# Altium PCB TI82_matlab.PcbDoc (continued)
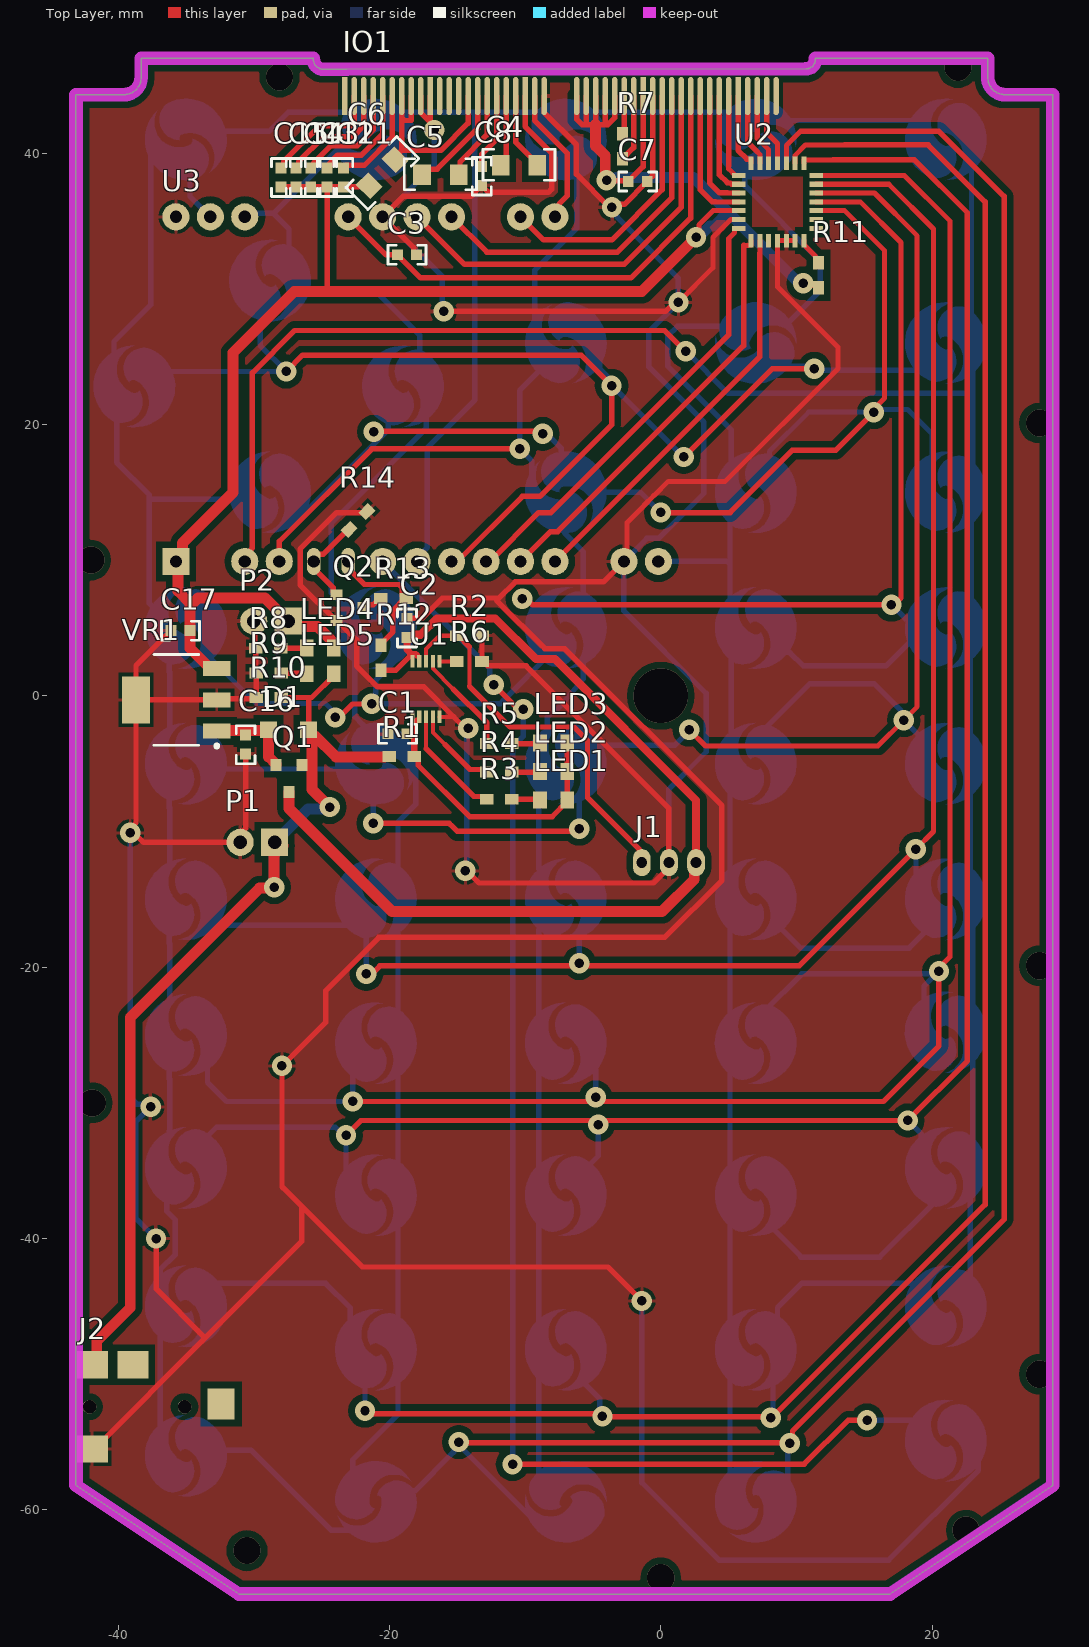
[diagram p0: Top Layer view]
## Nets (pads, with @x,y where several pads share a name; then routed paths per layer and width w, separated by ;. In a path a pad name is that pad's centre, name@x,y a point inside that pad or via, vN(x,y) a via of type N, cw(c..) or ccw(c..) an arc to the next point about the centre after c; other vN are vias at no path point)
3V3: C6.1 C7.0 C11.0 C12.0 C13.0 C14.0 C15.0 C17.1 IO1.23 IO1.24 IO1.25 IO1.26 IO1.27 IO1.30 LED4.1 P2.1 R11.1 U2.5 U3.1 VR1.3 | length 142.7
  Top Layer w0.37: v1(2.6,33.8) 2.803,34.003 2.803,34.703 3.85,35.75 U2.5
  Top Layer w0.4: C15.0 C14.0 C13.0 C12.0 ; -24.598,29.8 C12.0 ; C6.1@-22,37.8 -22.3,37.5 C11.0 C12.0 ; IO1.23 -6.196,44.196 -6.196,42.496 -5.8,42.1 -5.4,42.1 ; IO1.24 -5.5,42.2 -5.4,42.1 ; IO1.25 -4.8,42.25 -4.65,42.1 ; IO1.26 -4.1,42.3 -3.9,42.1 ; v1(-4,38) -3.949,37.949 -2.451,37.949 C7.0 -1.3,38.998 IO1.30 ; IO1.27 -3.404,44.196 -3.404,42.596 -3.9,42.1 ; v1(10.5,30.4) 10.663,30.237 11.463,30.237 R11.1 ; -5.4,42.1 -4.8,42.1 -4.65,42.1 ; -4.65,42.1 -3.9,42.1
  Top Layer w0.8: -34.7,6.83 -35.57,7.7 -35.57,9.73 U3.1 -35.251,10.389 -35.251,11.267 -31.54,14.979 -31.54,25.279 -27.019,29.8 -24.598,29.8 -1.4,29.8 v1(2.6,33.8) ; VR1.3 -33.2,2 -34.7,3.5 C17.1 -34.7,6.6 -34.1,7.2 -29.16,7.2 -27.06,5.1 -25.3,5.1 -24.2,4 -24.2,3.625 LED4.1 ; -4.8,42.1 -4.8,40.527 -4.09,39.817 -4.09,38.09 v1(-4,38)
  Bottom Layer w0.8: v1(-4,38) -3.866,38.134 -3.371,38.134 -3.305,38.2 2.4,38.2 4.95,35.65 ; v1(2.6,33.8) 2.789,33.8 3.635,34.646 3.946,34.646 4.95,35.65 ; v1@10.319,30.171 10.319,30.281 4.95,35.65
/CE: IO1.34 U3.31 | length 30.8
  Top Layer w0.4: U3.31 -14.46,31.8 -2.7,31.8 1.5,36 1.5,43 IO1.34
/CS: U2.7 U3.10 | length 33.1
  Top Layer w0.37: 5,33.7 5.435,34.135 5.435,34.45 U2.7
  Top Layer w0.4: U3.10 -12.6,9.9 -9,13.5 -8.1,13.5 5,26.6 5,33.7
/RST: C3.1 IO1.35 U3.33 | length 37.9
  Top Layer w0.4: U3.33 -20.242,32.503 C3.1 -17.698,30.8 -2.2,30.8 2.2,35.2 2.2,43 IO1.35
/STB: IO1.21 U3.27 | length 10.3
  Top Layer w0.4: IO1.21 -9.3,43 -9.3,42.4 -6.9,40 -6.9,36.834 -7.494,36.24 -7.494,35.606 U3.27
/WR: IO1.33 U3.30 | length 26.5
  Top Layer w0.4: U3.30 -12.82,32.7 -3.2,32.7 0.8,36.7 0.8,43 IO1.33
BAT_ADC: R12.1 R13.0 U3.6 | length 10.2
  Top Layer w0.4: U3.6 -23.04,9.4 -21.84,8.2 -19.309,8.2 -19.075,7.966 -19.075,7.375 R13.0@-18.875,7.175 ; R12.1 -20.625,3.825 -19.75,4.7 -19.75,6.3 R13.0@-18.875,7.175 ; R13.0 R13.0@-18.875,7.175
BAT_READ: Q2.1 R14.0 U3.5 | length 6.9
  Top Layer w0.4: Q2.1@-23.742,7.562 -24.062,7.562 -24.15,7.65 -24.15,7.97 -25.58,9.4 -25.58,10.161 -25.303,10.438 -24.862,10.438 R14.0@-23.06,12.24
COL0: K1.1 K7.1 K12.1 K16.1 K21.1 K26.1 K31.1 K36.1 K41.1 U3.3 | length 141.5
  Top Layer w0.4: U3.3 -30.66,10.333 -30.1,10.893 -30.1,23.8 -26.98,26.92 0.28,26.92 1.8,25.4 v1(1.85,25.4)
  Bottom Layer w0.4: v1(1.85,25.4) 4.956,22.294 23,22.294 ; 22.8,-44 22.8,-34.4 23,-34.2 23,-23.2 ; 22.8,-6.1 22.8,-14.1 22.9,-14.2 ; 22.8,-3.3 22.8,3.2 23,3.4 ; 22.9,13.6 22.9,6.6 23.1,6.4 ; 22.9,27.3 22.9,39.6 ; 23,-16.6 23,-22.9 23.3,-23.2 ; 23,24.4 23,22.294 ; 23.2,15.5 23,15.7 23,22.294
COL1: K2.1 K8.1 K13.1 K17.1 K22.1 K27.1 K32.1 K37.1 K42.1 K47.1 U3.15 | length 107.7
  Bottom Layer w0.4: U3.15 4.9,9.9 5.1,9.7 ; 5.1,-58.5 5.1,-6.3 5.2,-6.2 ; 5.1,6.1 5.1,9.7 ; 5.2,-3.6 5.2,3.4 5.3,3.5 ; 5.5,28.1 4.607,27.207 4.441,27.207 4.35,27.207 4.336,27.221 1.221,27.221 0.5,26.5 0.5,24.3 5.2,19.6 5.2,14.6 5.1,14.5 5.1,9.9 5.1,9.7 ; 6.2,38.8 6.2,37.6 11.75,32.05 11.75,29.834 9.316,27.401 9.201,27.401
COL2: K3.1 K9.1 K14.1 K18.1 K23.1 K28.1 K33.1 K38.1 K43.1 K48.1 U3.4 | length 105.8
  Top Layer w0.4: U3.4 -28.12,11.38 -21.3,18.2 v1(-10.4,18.2)
  Bottom Layer w0.4: -9.5,15.137 -9.5,15.962 ccw(c-9.9,15.962) -9.519,16.084 -9.519,16.664 -9.512,16.671 -9.511,16.7 -9.511,16.774 -9.509,16.783 -9.508,16.812 -9.506,16.902 -9.504,16.996 -9.504,17.304 v1(-10.4,18.2) -10.4,22.5 -8.6,24.3 ; -9.3,-4.5 -9.3,-3.4 ; -9.3,27.1 -9.3,31.35 -6.2,34.45 -6.2,38.7 ; -9,-58.3 -9,-17.236 ; -9,-12.764 -9,-7.236 ; -8.366,-2.765 -8.366,-1.581 -8.132,-1.347 -7.718,-1.07 -7.32,-0.671 -5.7,1.251 -5.7,2.6 ; -7.098,12.979 -7.098,12 -5.7,10.602 -5.7,7.1
COL3: K4.1 K6.1 K10.1 K19.1 K24.1 K29.1 K34.1 K39.1 K44.1 K49.1 U3.36 | length 103.7
  Bottom Layer w0.4: U3.36 -30.409,35.551 -28.549,35.551 ; -27.4,32.7 -27.4,34.403 -28.549,35.551 ; -26.3,29.9 -21.1,29.9 -17.779,26.579 -17.779,25.433 -17.8,25.412 -17.8,24.8 ; -23.65,40.45 -28.549,35.551 ; -23,6.3 -24.3,7.6 -24.3,12.7 -17.3,19.7 -17.3,21 ; K49.1@-22.7,-57.5 -22.7,-56.3 -19.367,-52.967 -19.367,-9.3 -18.067,-8 -18.067,-5.533 -18.4,-5.2 ; -22.5,2.9 -22.55,2.85 -22.55,-1.531 -21.934,-2.147 -21.934,-2.697 -22.372,-3.135 -22.399,-3.18 -22.488,-3.41 ; -19.6,-3.1 K24.1@-19.6,-2.835
COL4: K5.1 K11.1 K15.1 K20.1 K25.1 K30.1 K35.1 K40.1 K45.1 K50.1 U3.37 | length 100.7
  Bottom Layer w0.4: -40.3,24.8 -40.3,26.1 -37.6,28.8 -37.6,40.4 ; -40.1,20.8 -40.1,17.2 -37.7,14.8 -37.7,14.5 ; -37,-54.9 -36.9,-55 ; -37,-34.4 -36.491,-33.891 -36.491,-33.183 ccw(c-40.106,-31.692) -36.461,-33.109 -36.461,-33.05 -36.451,-33.018 -36.434,-32.841 ccw(c-36.762,-32.611) -36.367,-32.676 -36.366,-32.671 -36.312,-32.575 -36.283,-32.481 ccw(c-36.654,-32.334) -36.261,-32.407 ccw(c-40.106,-31.692) -36.201,-31.893 ccw(c-40.106,-31.692) -36.2,-31.882 -36.2,-28.265 -36.221,-28.244 -36.221,-27.664 -36.2,-27.644 -36.2,-25.138 -36.212,-25.09 -36.491,-23.963 -36.491,-23.383 ccw(c-36.861,-23.231) -36.461,-23.25 -36.451,-23.218 -36.434,-23.041 -36.378,-22.984 -36.366,-22.871 -36.312,-22.775 -36.283,-22.681 -36.229,-22.627 -36.21,-22.594 -36.21,-22.513 -36.2,-22.502 -36.2,-18.265 -36.221,-18.244 -36.221,-17.664 -36.2,-17.644 -36.2,-14.738 -36.21,-14.722 -36.263,-14.668 -36.292,-14.583 -36.353,-14.481 ccw(c-36.748,-14.542) -36.421,-14.311 -36.436,-14.185 -36.441,-14.143 -36.454,-14.104 ccw(c-36.853,-14.133) -36.491,-13.963 -36.491,-13.383 ccw(c-36.861,-13.231) -36.461,-13.25 -36.451,-13.218 -36.434,-13.041 -36.378,-12.984 -36.366,-12.948 -36.366,-12.871 -36.312,-12.775 -36.283,-12.681 -36.229,-12.627 -36.21,-12.594 -36.21,-12.513 -36.2,-12.502 -36.2,-8.265 -36.221,-8.244 -36.221,-7.664 -36.2,-7.644 -36.2,-4.738 -36.21,-4.722 -36.263,-4.668 -36.292,-4.583 -36.353,-4.481 ccw(c-36.748,-4.542) -36.421,-4.311 -36.436,-4.185 -36.441,-4.143 -36.454,-4.104 ccw(c-36.853,-4.133) -36.491,-3.963 -36.491,-3.383 ccw(c-36.861,-3.231) -36.461,-3.25 -36.451,-3.218 -36.434,-3.041 -36.378,-2.984 -36.366,-2.871 -36.312,-2.775 -36.283,-2.681 -36.229,-2.627 -36.21,-2.594 -36.21,-2.513 -36.2,-2.502 -36.2,1.735 -36.221,1.756 -36.221,2.336 -36.2,2.356 -36.2,3.928 ; -37,6.1 -37.7,6.8 -37.7,14.5 ; -36.9,-54.5 -36.9,-42.9 -36.9,-42.3 -35.8,-41.2 -35.8,-38.6 -36.4,-38 -36.4,-36.4 ; -34.7,38.4 -34.7,36.8 U3.37 ; -31.5,14.6 -31.6,14.5 -37.7,14.5
D+: J2.3
D-: J2.2
D/I: IO1.32 U3.28 | length 19.6
  Top Layer w0.4: U3.28 -8.64,33.6 -3.6,33.6 0.1,37.3 0.1,43 IO1.32
DB0: IO1.43 U2.25 | length 5.3
  Top Layer w0.37: IO1.43@7.8,43 IO1.43 ; U2.25 8.6,40.7
  Top Layer w0.4: IO1.43@7.8,43 7.8,41.5 8.6,40.7
DB1: IO1.42 U2.26 | length 5.3
  Top Layer w0.37: 7.1,41.1 7.95,40.25 U2.26
  Top Layer w0.4: 7.1,41.1 IO1.42
DB2: IO1.41 U2.27 | length 5.3
  Top Layer w0.37: 7.1,40.1 7.3,39.9 U2.27
  Top Layer w0.4: IO1.41 6.4,40.8 7.1,40.1
DB3: IO1.40 U2.28 | length 5.5
  Top Layer w0.37: U2.28@6.635,39.55 6.65,39.535 U2.28
  Top Layer w0.4: IO1.40 5.7,40.2 6.35,39.55 U2.28@6.635,39.55
DB4: IO1.39 U2.1 | length 6.3
  Top Layer w0.37: 5,39.054 5,38.84 5.49,38.35 U2.1
  Top Layer w0.4: 5,39.054 IO1.39
DB5: IO1.38 U2.2 | length 7.5
  Top Layer w0.37: 4.9,37.815 4.935,37.78 5.14,37.78 5.22,37.7 U2.2
  Top Layer w0.4: IO1.38 4.3,38.415 4.9,37.815
DB6: IO1.37 U2.3 | length 8.9
  Top Layer w0.3: 4.915,37.065 4.93,37.05 4.95,37.05
  Top Layer w0.37: 4.95,37.05 U2.3
  Top Layer w0.4: IO1.37 3.6,43 3.6,37.8 4.335,37.065 4.915,37.065
DB7: IO1.36 U2.4 | length 10.1
  Top Layer w0.37: 4,36.415 4.015,36.4 U2.4
  Top Layer w0.4: IO1.36 2.9,43 2.9,37.3 3.785,36.415 4,36.415
DISP_DATA: U2.9 U3.12 | length 29.9
  Top Layer w0.37: 7.3,32.6 U2.9
  Top Layer w0.4: U3.12 7.3,25 7.3,32.6
GND: C1.0 C2.0 C3.0 C7.1 C8.0 C16.0 C17.0 IO1.9 IO1.10 IO1.20 IO1.22 IO1.31 J1.2 J2.4 K46.1 P1.2 P2.2 Q2.2 R2.1 R6.1 R8.1 R9.1 R10.1 R14.1 U1.5 U2.6 U2.11 U2.12 U2.13 U3.14 U3.32 U3.38 VR1.2 VR1.4 | length 547
  Top Layer w0.3: U1.5 -15.259,-1.55
  Top Layer w0.37: U3.14 -2.48,10.14 -2.48,12.766 -1.245,14.002 -1.245,14.021 -0.521,14.745 -0.502,14.745 0.553,15.8 4.747,15.8 13.058,24.111 13.058,25.686 8.6,30.144 U2.11 U2.12 U2.13 ; v1(1.3,29) 3.835,31.535 3.835,33.769 5.166,35.1 U2.6
  Top Layer w0.4: J2.4 -41.75,-55.5 -33.575,-47.325 ; v1(-37.2,-40) -37.2,-43.7 -33.575,-47.325 ; C17.0 -38.675,2.225 VR1.4 ; C16.0 -30.598,-9.766 -30.694,-9.862 -30.694,-10.494 P1.2 -38.116,-10.8 -38.816,-10.1 v1(-39.1,-10.1) -39.1,-9.802 -38.675,-9.377 VR1.4 ; P2.2 -29.925,5.425 -29.925,3.575 R8.1 -29.838,3.487 -29.838,1.687 R9.1 R10.1 -29.913,-0.213 -32.638,-0.213 VR1.2 VR1.4 ; -27.919,-36.181 v1(-27.919,-27.276) -24.688,-24.046 -24.688,-21.72 -20.777,-17.809 0.291,-17.809 4.5,-13.6 4.5,-8.1 -7.08,3.48 -8.548,3.48 -12.093,7.025 -11.909,7.209 ; -27.85,-36.25 -26.45,-37.65 ; R14.1 -21.734,13.501 -23.893,13.501 -26.58,10.814 -26.58,8.18 -23.95,5.55 Q2.2 -23.85,5.55 -22.42,4.12 -22.42,2.205 -20.866,0.65 -17.459,0.65 -15.259,-1.55 -14.409,-2.4 v1(-14.2,-2.4) ; C2.0 -17.603,5.7 -16.094,7.209 -11.909,7.209 ; C3.0 -18.2,32.703 -18.2,33 U3.32 -19,36.8 -13.997,36.8 C8.0 -12.698,37.1 -8.284,37.1 -8.05,37.334 -8.05,40.016 -10,41.966 IO1.20 ; IO1.9 -17.7,43 v1@-17,42.3 ; IO1.10 v1@-17,42.3 ; v1(-16.7,41.7) -16.7,41.998 -17,42.298 v1@-17,42.3 ; v1(-16.005,28.337) 0.34,28.337 1.002,29 v1(1.3,29) ; v1(-14.4,-12.9) -14.291,-12.9 -13.391,-13.8 -0.55,-13.8 0.6,-12.65 J1.2 0.6,-8.323 -9.923,2.2 -12.75,2.2 -13.075,2.525 R6.1 R2.1 ; IO1.22 -8.6,43 -6.22,40.62 -6.22,38.452 -3.768,36 v1(-3.6,36) -3.39,36.21 -2.687,36.21 C7.1 -0.6,38.298 IO1.31 ; U3.14 -4.22,8.4 -10.718,8.4 -11.909,7.209 ; v1(-1.4,-44.6) -3.9,-42.1 -22,-42.1 -26.45,-37.65 ; -33.575,-47.325 -26.45,-40.2 -26.45,-37.65
  Bottom Layer w0.4: v1(-39.1,-10.1) -39.1,-29.608 -38.618,-30.09 -37.81,-30.09 v1(-37.6,-30.3) -38.7,-31.4 -38.7,-38.5 v1(-37.2,-40) ; v1(-16.7,41.7) -16.7,39.1 U3.32 -16.1,30.9 v1@-16.1,28.6 ; v1(-14.4,-12.9) -14.3,-12.8 -14.3,-2.5 v1(-14.2,-2.4) ; v1(-3.6,36) -3.6,35.702 -3.217,35.319 -3.217,35.274 1.3,30.757 v1(1.3,29) -0.9,26.8 -0.9,24.251 3.175,20.176 3.175,14.927 -0.154,11.598 -1.022,11.598 U3.14 -2.72,6.256 3.35,0.186 3.35,-4.125 0.6,-6.875 J1.2 ; v1(-1.4,-44.6) -1.4,-58 4.3,-63.7 16.8,-63.7 23.4,-57.1 23.4,-55.5
NetC1_1: C1.1 LED1.1 LED2.1 LED3.1 R1.1 U1.1 U1.2 | length 20.9
  Top Layer w0.4: R1.1 -18.075,-4.475 -17.875,-4.675 -17.875,-5.125 -14.1,-8.9 -8,-8.9 -6.9,-7.8 LED1.1 LED2.1 LED3.1 ; U1.1@-18.175,-1.975 -18,-1.8
  Top Layer w0.5: R1.1 U1.1@-18.175,-1.975
NetC4_0: C4.0 IO1.18 | length 5.5
  Top Layer w0.4: C4.0@-12,39.3 C4.0 -11.4,39.5 IO1.18
NetC4_1: C4.1 IO1.19 | length 5.8
  Top Layer w0.4: IO1.19 -10.7,40.8 -9.1,39.2 C4.1
NetC5_0: C5.0 IO1.15 | length 7.8
  Top Layer w0.4: C5.0@-17.5,38.4 -17.084,38.816 -16.484,38.816 -13.5,41.8 -13.5,43 IO1.15
NetC5_1: C5.1 IO1.16 | length 6.5
  Top Layer w0.4: C5.1@-14.8,38.577 -14.8,39.355 -12.8,41.355 IO1.16
NetC6_0: C6.0 IO1.7 IO1.8 IO1.14 | length 15.1
  Top Layer w0.4: C6.0 -19.591,39.709 -19.1,40.2 ; IO1.7@-19.1,42.804 -19.1,40.2 ; IO1.7@-19.1,42.844 IO1.7 ; -19.06,42.583 -18.877,42.4 -18.4,42.4 IO1.8 ; IO1.14 -14.2,42.2 -16.2,40.2 -19.1,40.2
NetC8_1: C8.1 IO1.17 | length 5.7
  Top Layer w0.4: C8.1 -13.197,39.902 -12.1,41 -12.1,43 IO1.17
NetC11_1: C11.1 IO1.6 | length 7.6
  Top Layer w0.4: C11.1 -23.198,39.1 -21.838,39.1 -19.8,41.138 IO1.6
NetC12_1: C12.1 IO1.5 | length 8
  Top Layer w0.4: C12.1 -24.398,39.1 -24.398,39.266 -23.823,39.84 -22.06,39.84 -20.5,41.4 IO1.5
NetC13_1: C13.1 IO1.4 | length 8.4
  Top Layer w0.4: C13.1 -25.598,39.1 -25.598,39.266 -24.343,40.52 -22.382,40.52 -21.2,41.702 IO1.4
NetC14_1: C14.1 IO1.3 | length 8.6
  Top Layer w0.4: C14.1 -26.698,39.1 -26.698,39.366 -24.863,41.2 -22.7,41.2 -21.9,42 IO1.3
NetC15_1: C15.1 IO1.2 | length 8.9
  Top Layer w0.4: C15.1 -27.798,39.1 -27.798,39.366 -25.163,42 -22.862,42 -22.6,42.262 -22.6,43 IO1.2
NetIO1_28: IO1.28 R7.1 | length 2.8
  Top Layer w0.4: R7.1@-2.725,41.425 -2.704,41.446 -2.704,44.196 IO1.28
NetIO1_29: IO1.29 R7.0 | length 4.9
  Top Layer w0.4: R7.0@-2.725,39.675 -2.725,39.775 -2.615,39.885 -2.515,39.885 -2,40.4 IO1.29
NetLED1_0: LED1.0 R3.0 | length 2.1
  Top Layer w0.4: R3.0 -8.95,-7.625 LED1.0
NetLED2_0: LED2.0 R4.0 | length 2.1
  Top Layer w0.4: R4.0 -8.95,-5.625 LED2.0
NetLED3_0: LED3.0 R5.0 | length 2
  Top Layer w0.4: R5.0 -9.05,-3.525 LED3.0@-9,-3.475
NetLED4_0: LED4.0 R8.0 | length 1.9
  Top Layer w0.4: R8.0 -26.125,3.5 LED4.0
NetLED5_0: LED5.0 R9.0 | length 1.9
  Top Layer w0.4: R9.0 -26.15,1.675 LED5.0
NetQ2_3: Q2.3 R13.1 | length 1.6
  Top Layer w0.4: Q2.3 -21.7,6.7 -21.2,6.7 -20.725,7.175 R13.1
NetR3_1: R3.1 U1.3 | length 8.4
  Top Layer w0.3: -17.3,-3.9 -17.3,-2.4 U1.3
  Top Layer w0.4: -17.3,-3.9 -13.775,-7.425 -13.025,-7.425 R3.1
NetR4_1: R4.1 U1.4 | length 6.3
  Top Layer w0.3: U1.4 -16.8,-2.7 -15.9,-3.6 ; R4.1@-13.018,-5.432 R4.1
  Top Layer w0.4: -15.9,-3.6 -14.068,-5.432 R4.1@-13.018,-5.432
NetR5_1: R5.1 U1.7 | length 7.7
  Top Layer w0.3: U1.7 -16.8,2 -15.3,0.5
  Top Layer w0.4: -15.3,0.5 -12.825,-1.975 R5.1
NetR6_0: R6.0 U1.6 | length 1.3
  Top Layer w0.3: U1.6 -16.3,2.525 R6.0
NetR11_0: R11.0 U2.14 | length 2.1
  Top Layer w0.37: U2.14 10.55,33.235 11.41,32.375 11.41,32.14 R11.0
ON: K46.2 U3.7 | length 102.2
  Top Layer w0.4: v1(-12.3,0.8) -10.7,-0.8 v1@-10.3,-0.8 ; v1(-10.925,-56.629) 10.571,-56.629 13.8,-53.4 v1(15.2,-53.4)
  Bottom Layer w0.4: U3.7 -12.6,2 v1@-12.6,1.2 ; v1@-11,-56.3 v1@-11,-56 ; v1(-10.925,-56.629) -10.925,-3.765 -10.127,-2.967 v1(-10.127,-0.99) ; v1(15.2,-53.4) 18.8,-53.4 19,-53.6
ROW0: K1.2 K2.2 K3.2 K4.2 K5.2 U3.8 | length 84
  Bottom Layer w0.4: -32.8,41.6 -28.868,41.6 -27.468,43 -13.7,43 ; U3.8 -17.96,10.174 -17.2,10.934 -17.2,18.3 -13.7,21.8 -13.7,43 ; 6.1,43 -13.7,43 ; 9.2,42.4 18.7,42.4 18.8,42.5
ROW1: K6.2 K7.2 K8.2 K9.2 K11.2 U3.9 | length 93.3
  Top Layer w0.4: v1(-27.6,23.9) -26.4,25.1 -5.872,25.1 v1(-3.629,22.857) -3.629,19.971 -8.9,14.7 -10.201,14.7 -15.001,9.9 U3.9 ; v1(1.7,17.6) 8.2,24.1 v1(11.3,24.1)
  Bottom Layer w0.4: -37.3,24.1 -37.1,23.9 v1(-27.6,23.9) -29.526,25.826 -29.526,28.234 ; -4.658,25.373 -4.604,25.319 -4.577,25.175 cw(c-4.953,25.038) -4.57,25.152 -4.539,25.051 ccw(c-4.156,25.165) -4.495,24.953 -4.495,24.095 -3.998,23.598 -3.998,23.523 -3.518,23.043 -3.518,22.782 1.664,17.6 v1(1.7,17.6) ; 8.8,24.4 8.896,24.304 11.096,24.304 11.4,24 19.732,24 K7.2
ROW2: K10.2 K12.2 K13.2 K14.2 K15.2 U2.17 | length 86.6
  Top Layer w0.37: U2.17 13.55,35.75 16.5,32.8 16.5,21.946 15.7,21.146 v1(15.7,20.9)
  Top Layer w0.4: v1(-21.145,19.45) -21.095,19.5 -8.9,19.5 v1(-8.7,19.3) ; v1(-0.01,13.51) -0.005,13.505 5.105,13.505 9.7,18.1 12.9,18.1 v1(15.7,20.9)
  Bottom Layer w0.37: 8,17.2 8,18 10.9,20.9 v1(15.7,20.9) 15.915,21.115 18.185,21.115 19.976,19.324 19.976,17.243 19.975,17.241 ; 19.952,17.123 19.975,17.165
  Bottom Layer w0.4: -26.9,14 -26.579,13.679 -26.021,13.679 v1@-20.697,19.003 ; v1(-21.145,19.45) v1@-20.697,19.003 ; -20.1,20.7 -20.1,19.6 v1@-20.697,19.003 ; v1(-8.7,19.3) -8.402,19.3 -7.347,18.245 K14.2 ; -5,15 -1.5,15 v1(-0.01,13.51)
ROW3: K16.2 K17.2 K18.2 K19.2 K20.2 U2.18 | length 114.5
  Top Layer w0.37: v1(-24,-1.6) -23.722,-1.6 -22.722,-0.6 v1(-21.3,-0.6) ; U2.18 14.7,36.4 17.7,33.4 17.7,7.2 v1@17.3,6.8
  Top Layer w0.4: v1(-10.2,7.15) -9.902,7.15 -9.452,6.7 v1(17,6.7)
  Bottom Layer w0.37: -33.5,3.1 -29.845,-0.555 -24.739,-0.555 -24,-1.294 v1(-24,-1.6)
  Bottom Layer w0.4: -19.2,3.3 -19.2,2.952 -19.4,2.752 -21,1.152 -21,0.184 -21.09,0.095 -21.09,-0.39 v1(-21.3,-0.6) -19.4,-0.6 -15.3,-0.6 -11.834,-0.6 -11.6,-0.366 -11.6,-0.332 K18.2 -8,4.948 cw(c-7.697,5.209) -8.014,4.966 -8.053,5.016 -8.074,5.077 cw(c-7.697,5.209) -8.083,5.105 -8.104,5.168 -8.164,5.27 ccw(c-8.56,5.209) -8.232,5.439 -8.253,5.607 -8.267,5.649 ccw(c-8.666,5.617) -8.307,5.793 -8.692,6.178 -8.692,6.279 -8.975,6.562 -9.253,6.562 -9.841,7.15 v1(-10.2,7.15) ; 8.7,3.2 9.5,3.2 10.5,2.2 16.6,2.2 18.5,4.1 ; v1(17,6.7) 18.019,5.681 18.019,5.781 18.6,5.2
ROW4: K21.2 K22.2 K23.2 K24.2 K25.2 U2.19 | length 115.9
  Top Layer w0.37: v1(2.1,-2.5) 3.3,-3.7 16,-3.7 v1(17.9,-1.8) 18.9,-0.8 18.9,33.9 15.75,37.05 U2.19
  Top Layer w0.4: v1(-21.2,-9.4) -15.6,-9.4 -15.401,-9.6 -15,-10 -6.2,-10 v1(-6,-9.8) v1@-5.8,-9.6
  Bottom Layer w0.37: -34,-2.7 -33.5,-2.7 ; -33,-5.4 -23.7,-5.4 -23.1,-4.8
  Bottom Layer w0.4: v1@-21.4,-9.2 -21.2,-9 -21.2,-7.5 ; v1(-6,-9.8) -6,-7.6 -5.5,-7.1 ; -5.1,-3.3 -4.766,-3.634 1.042,-3.634 2.1,-2.576 v1(2.1,-2.5) ; 7.759,-2.341 11,0.9 15.7,0.9 17.69,-1.09 17.69,-1.59 19.1,-3 19.1,-3.3
ROW5: K26.2 K27.2 K28.2 K29.2 K30.2 U2.20 | length 133.3
  Top Layer w0.37: U2.20 16.8,37.7 20.1,34.4 20.1,-10 v1(18.8,-11.3)
  Top Layer w0.4: v1@-21.7,-20.9 -20.7,-19.9 10.2,-19.9 v1(18.8,-11.3)
  Bottom Layer w0.37: v1(18.8,-11.3) 18.8,-13.1 19.2,-13.5
  Bottom Layer w0.4: -33.2,-16.4 -32.7,-16.9 -22.2,-16.9 -21.7,-17.4 v1(-21.7,-20.5) ; v1(-6,-19.7) -6,-17.3 -5.6,-16.9 ; 8.7,-17 10.3,-18.6 18.3,-18.6 19.7,-17.2
ROW6: K31.2 K32.2 K33.2 K34.2 K35.2 U2.21 | length 153.3
  Top Layer w0.37: U2.21 17.95,38.35 21.3,35 21.3,-19.254 20.5,-20.054 v1(20.5,-20.3)
  Top Layer w0.4: v1(-22.7,-29.9) -4.8,-29.9 16.4,-29.9 20.5,-25.8 v1(20.5,-20.3)
  Bottom Layer w0.4: -33.5,-26.6 -33.406,-26.694 -33.406,-28.494 -32,-29.9 v1(-22.7,-29.9) -22.7,-27.7 -22.2,-27.2 ; -5.4,-27 -4.8,-27.6 v1(-4.8,-29.6) ; 7.624,-23.276 10.4,-20.5 v1@20.3,-20.5 ; 19.4,-23.1 19.4,-21.4 v1@20.3,-20.5 ; v1(20.5,-20.3) v1@20.3,-20.5
ROW7: K36.2 K37.2 K38.2 K39.2 K40.2 U2.22 | length 161.2
  Top Layer w0.37: U2.22 10.55,39.5 12.7,39.5
  Top Layer w0.4: v1(-23.2,-32.4) -23.2,-32.392 -22.108,-31.3 v1(18.2,-31.3) 22.6,-26.9 22.6,35.6 18.7,39.5 12.7,39.5
  Bottom Layer w0.4: K40.2 -32.732,-31.8 -23.984,-31.8 -23.384,-32.4 v1(-23.2,-32.4) -23.2,-35.3 -22.9,-35.6 ; -33.847,-37.147 -33.6,-36.9 ; -33.4,-33 -33.3,-33.1 ; -5.7,-35 -4.6,-33.9 v1(-4.6,-31.6) ; 8.2,-39.2 10.3,-41.3 10.3,-41.366 16.134,-41.366 20.2,-37.3 ; v1(18.2,-31.3) 19.2,-32.3 19.2,-32.8 19.693,-33.293 19.716,-33.404 ccw(c20.091,-33.545) 19.693,-33.5
ROW8: K41.2 K42.2 K43.2 K44.2 K45.2 U2.23 | length 183.2
  Top Layer w0.37: U2.23 9.9,39.829 10.671,40.6 13.542,40.6
  Top Layer w0.4: v1@-21.7,-52.6 -21.4,-52.9 -4.5,-52.9 v1(-4.3,-53.1) -4.25,-53.15 8.05,-53.15 v1(8.1,-53.2) 8.2,-53.2 23.9,-37.5 23.9,36.4 19.7,40.6 13.542,40.6
  Bottom Layer w0.4: -35.213,-43.3 -34.032,-43.3 K45.2 -33.968,-43.3 -24.7,-43.3 -22.9,-45.1 -22.9,-46.3 -22.8,-46.4 ; -21.9,-50.3 -21.8,-50.4 v1(-21.8,-52.7) ; -5.7,-50.6 -4.51,-51.79 -4.51,-52.89 v1(-4.3,-53.1) ; v1(8.1,-53.2) 8.272,-53.028 8.272,-50.1 8.6,-49.772 8.6,-45.1 10.417,-43.283 19.645,-43.283 19.809,-43.127 ; 19.833,-43.07 19.857,-43.024
ROW9: K47.2 K48.2 K49.2 K50.2 U2.24 | length 173.5
  Top Layer w0.37: U2.24 9.25,40.55 10.3,41.6
  Top Layer w0.4: v1(-14.9,-55) -14.85,-55.05 9.45,-55.05 v1(9.5,-55.1) 9.705,-54.895 9.705,-54.195 25.3,-38.6 25.3,36.8 20.5,41.6 10.3,41.6
  Bottom Layer w0.4: -33.3,-55.6 -30.2,-55.6 -24.3,-61.5 -22.8,-61.5 ; -19.176,-58.976 -18.8,-58.6 -18.112,-58.6 -15.261,-55.749 -15.261,-55.658 -14.9,-55.298 v1@-14.9,-55.2 ; v1(-14.9,-55) v1@-14.9,-55.2 ; -9.4,-60.7 v1@-14.9,-55.2 ; K47.2 8.984,-58.4 9.35,-58.034 9.35,-55.25 v1(9.5,-55.1) ; 8.74,-58.645 K47.2@8.855,-58.529
SCK: U2.8 U3.11 | length 31.3
  Top Layer w0.37: 6.1,33.2 6.433,33.2 6.468,33.235 6.65,33.235 U2.8
  Top Layer w0.4: U3.11 -8.14,12.1 -7.6,12.1 6.1,25.8 6.1,33.2
TEMP: J1.3 R2.0 U1.8 | length 28.8
  Top Layer w0.3: U1.8 -17.3,3.45 -16.325,4.425 R2.0 ; -14.1,0.7 -14.1,3.6
  Top Layer w0.4: R2.0 -14.925,4.425 -14.1,3.6 ; -14.1,0.7 -11.1,-2.3 -6.385,-2.3 -5.4,-3.285 -5.4,-7.5 -1.572,-11.328 -1.572,-12.128 J1.3
VBAT: C2.1 J1.1 Q1.3 R12.0 U1.9 U1.10 | length 73.1
  Top Layer w0.4: R12.0 -19.539,1.875 -18.357,3.057
  Top Layer w0.5: C2.1 -18.702,3.403 -18.357,3.057 -18.057,3.057 -18,3
  Top Layer w0.6: C2.1 -18.602,4.4 -18.351,4.4 -18.251,4.5 -17.7,4.5 -16.5,5.7 -12.2,5.7 -9.2,2.7 -7.8,2.7 2.6,-7.7 J1.1 J1.1@2.479,-12.421
  Top Layer w0.8: Q1.3 -27.4,-8.3 -19.8,-15.9 0.1,-15.9 2.467,-13.533 2.467,-13.137 2.504,-13.099 2.504,-12.446 J1.1@2.479,-12.421
VBUS: D1.2 J2.1 LED5.1 P1.1 Q1.1 R1.0 R10.0 | length 72.7
  Top Layer w0.4: R10.0 -25.95,-0.125 ; Q1.1 Q1.1@-26.45,-5.05 ; D1.2 -25.95,-0.125 ; LED5.1 -24.1,1.5 -25.725,-0.125 -25.95,-0.125
  Top Layer w0.8: J2.1 -41.569,-48.969 -41.569,-47.569 -39.1,-45.1 -39.1,-23.7 -29.579,-14.179 -28.579,-14.179 v1(-28.5,-14.1) -28.5,-11.7 P1.1@-27.85,-11.05 ; D1.2 -25.935,-2.5 -25.725,-2.71 -25.725,-3.154 -25.7,-3.179 -25.7,-6.9 v1(-24.4,-8.2) ; D1.2@-25.478,-2.957 -23.935,-4.5 -20.384,-4.5 -20.359,-4.475 R1.0
  Bottom Layer w0.8: v1(-28.5,-14.1) -28.5,-10.84 -25.994,-8.334 -24.534,-8.334 v1(-24.4,-8.2)
VCC: C16.1 D1.1 Q1.2 VR1.1 | length 6.7
  Top Layer w0.8: VR1.1 -32.675,-2.55 -28.95,-2.55 D1.1 -28.9,-4.5 -28.35,-5.05 Q1.2
pads on no net: IO1.1 IO1.11 IO1.12 IO1.13 IO1.44 J2.* U2.10 U2.15 U2.16
copper on no net:
  other v2: 0,-65 -30.5,-63 22.5,-61.5 27.9,-50 -41.9,-30 27.9,-19.9 -42,10 27.9,20.1 -28.1,45.6 21.9,46.3
  other v3: 0,0

## Polygon pours and split planes (outlines as drawn)
GND on Bottom Layer "Bottom GND" (solid, pour order 1): -43.1,44.3 -39.57,44.3 ccw(c-39.57,45.57) -38.3,45.57 -38.3,47 -25.6,47 -25.6,46.899 ccw(c-24.878,46.899) -24.878,46.177 -23.1,46.175 10.7,46.2 ccw(c10.7,46.9) 11.4,46.9 11.4,47 24.1,47 24.1,45.57 ccw(c25.37,45.57) 25.37,44.3 28.9,44.3 28.9,-58.2 16.9,-66.2 -31.1,-66.2 -43.1,-58.2
GND on Top Layer "Top GND" (solid, pour order 0): -43.1,44.3 -39.57,44.3 ccw(c-39.57,45.57) -38.3,45.57 -38.3,47 -25.6,47 -25.6,46.899 ccw(c-24.878,46.899) -24.878,46.177 -23.1,46.175 10.7,46.2 ccw(c10.7,46.9) 11.4,46.9 11.4,47 24.1,47 24.1,45.57 ccw(c25.37,45.57) 25.37,44.3 28.9,44.3 28.9,-58.2 16.9,-66.2 -31.1,-66.2 -43.1,-58.2

## Keep-outs
Keep-Out Layer:
  lines w1: -25.6,46.899 ccw(c-24.878,46.899) -24.878,46.177 -23.1,46.175 10.7,46.2 ccw(c10.7,46.9) 11.4,46.9 11.4,47 24.1,47 24.1,45.57 ccw(c25.37,45.57) 25.37,44.3 28.9,44.3 28.9,-58.2 16.9,-66.2 -31.1,-66.2 -43.1,-58.2 -43.1,44.3 -39.57,44.3 ccw(c-39.57,45.57) -38.3,45.57 -38.3,47 -25.6,47 -25.6,46.899 ; -25.6,46.899 ccw(c-25.6,46.899) -25.6,46.899